# Altium PCB Copy of master.PcbDoc (part 2 of 7)
Units mm, origin at the board's own origin, x right, y up, seen from the top; angles counter-clockwise.
Board outline 160 x 120 mm, 6 copper layers (Top Signal, Top GND, Inner PWR, Inner Signal, Bottom GND, Bottom Signal), stack 1.571 mm thick; 553 components, 452 nets, 2073 pads, 879 vias.
Unrouted connection lines stored in the file: 269.
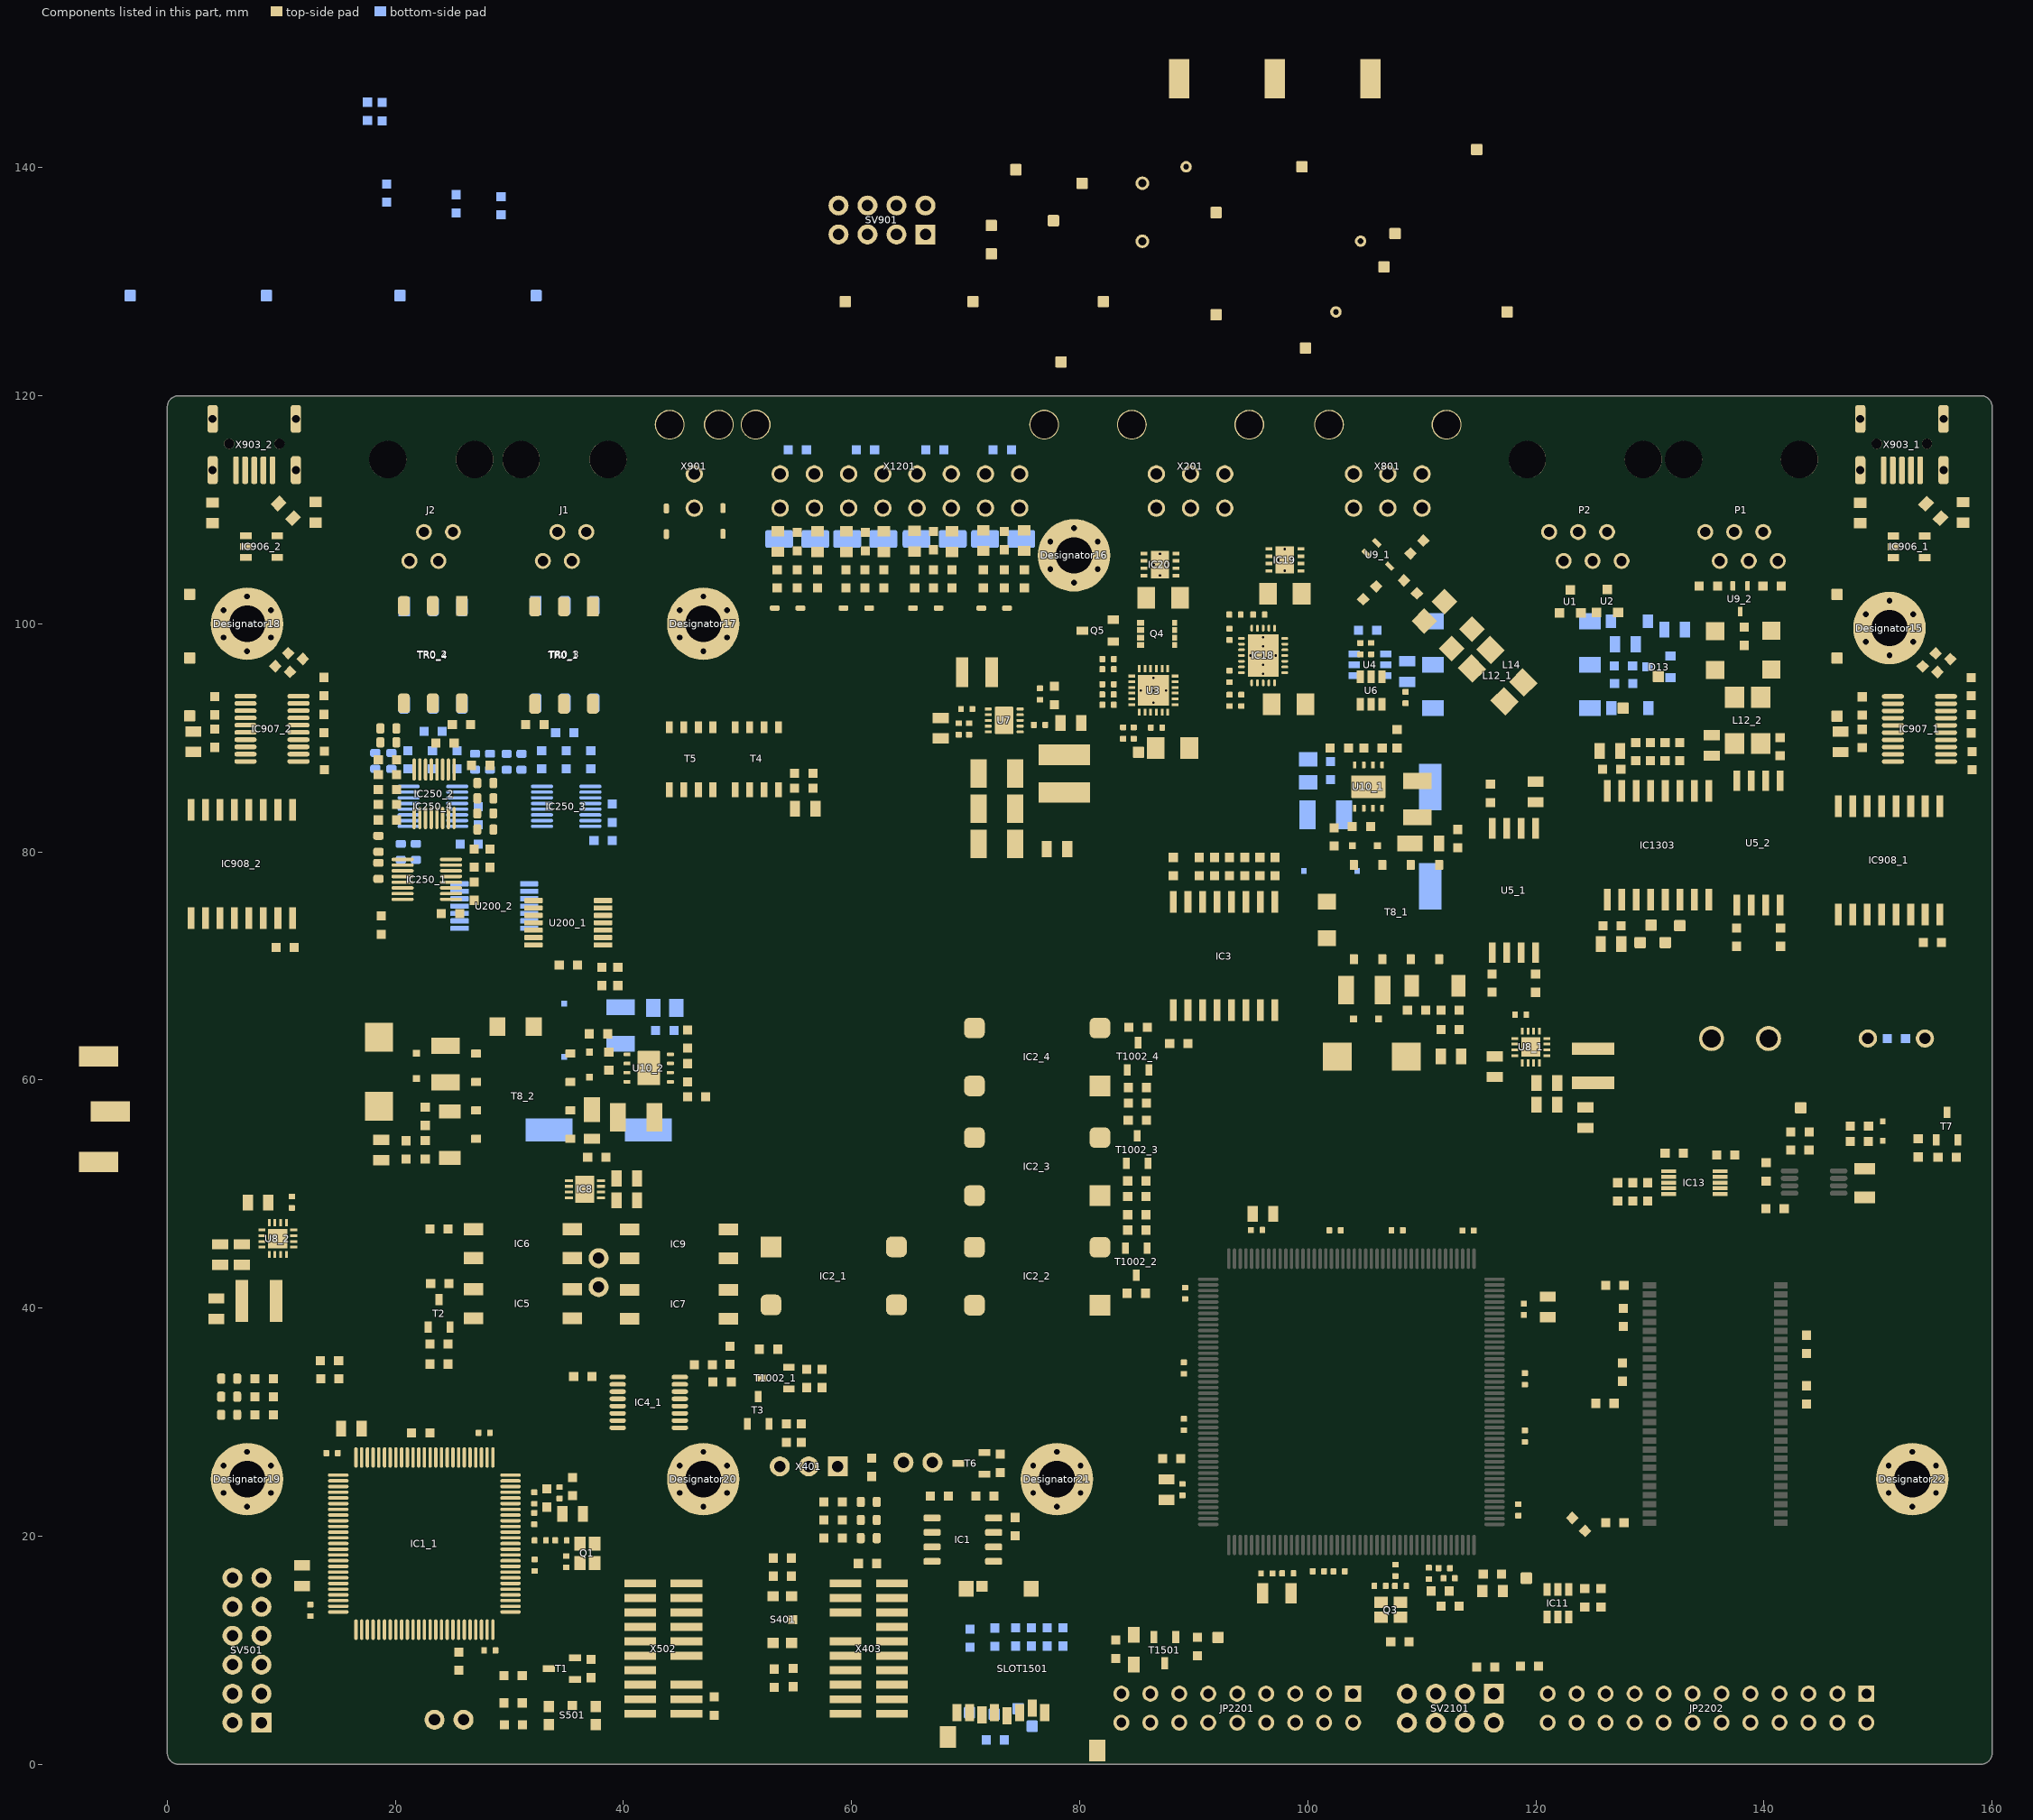
[diagram p6: the components of this part, seen from the top]

## Components (designator, comment, footprint, x,y, rotation, side; value= is the part's Value field where it differs from the comment) (continued)
JP200_2 "0R" RESC1608X05N 29.757,87.902 r90 bottom (schematic designator JP200)
JP201_1 "0R" RESC1608X05N 27.883,86.042 r0 top (schematic designator JP201)
JP201_2 "0R" RESC1608X05N 18.237,87.976 r90 bottom (schematic designator JP201)
JP202_1 "0R" RESC1608X05N 19.38,89.606 r180 top (schematic designator JP202)
JP202_2 "0R" RESC1608X05N 26.983,87.909 r90 bottom (schematic designator JP202)
JP203_1 "0R" RESC1608X05N 18.512,80.704 r90 top (schematic designator JP203)
JP203_2 "0R" RESC1608X05N 20.472,80.004 r270 bottom (schematic designator JP203)
JP204_1 "0R" RESC1608X05N 27.883,81.962 r180 top (schematic designator JP204)
JP204_2 "0R" RESC1608X05N 31.052,87.902 r270 bottom (schematic designator JP204)
JP205_1 "0R" RESC1608X05N 27.883,84.692 r180 top (schematic designator JP205)
JP205_2 "0R" RESC1608X05N 19.651,87.976 r270 bottom (schematic designator JP205)
JP206_1 "0R" RESC1608X05N 19.38,90.824 r0 top (schematic designator JP206)
JP206_2 "0R" RESC1608X05N 28.296,87.909 r270 bottom (schematic designator JP206)
JP207_1 "0R" RESC1608X05N 18.512,78.341 r90 top (schematic designator JP207)
JP207_2 "0R" RESC1608X05N 21.798,80.004 r90 bottom (schematic designator JP207)
JP2201 "SLW-112-01-T-D" SMTC-SLW-112-01-X-D#1 103.97,6.19 r180 bottom
JP2202 "SLW-112-01-T-D" SMTC-SLW-112-01-X-D#2 148.972,6.19 r180 bottom
L1_1 "742792021" 0805_HV 100.034,87.114 r270 bottom value="22 ohm" (schematic designator L1)
L1_2 "742792021" 0805_HV 43.614,66.316 r180 bottom value="22 ohm" (schematic designator L1)
L2_1 "744042100" WE-TPC-M1 102.002,78.317 r0 bottom value=10uH (schematic designator L2)
L2_2 "744042100" WE-TPC-M1 34.81,64.347 r270 bottom value=10uH (schematic designator L2)
L3 "BLM21AG471SN1J" MURA-BLM21-H1-CHIP-2_V#1 53.518,107.213 r270 top
L4 "BLM21AG471SN1J" MURA-BLM21-H1-CHIP-2_V#1 57.007,107.202 r270 top
L5 "BLM21AG471SN1J" MURA-BLM21-H1-CHIP-2_V#1 59.554,107.202 r270 top
L6 "BLM21AG471SN1J" MURA-BLM21-H1-CHIP-2_V#1 62.838,107.202 r270 top
L7 "BLM21AG471SN1J" MURA-BLM21-H1-CHIP-2_V#1 65.532,107.239 r270 top
L8 "BLM21AG471SN1J" MURA-BLM21-H1-CHIP-2_V#1 68.809,107.202 r270 top
L9 "BLM21AG471SN1J" MURA-BLM21-H1-CHIP-2_V#1 71.552,107.29 r270 top
L10 "BLM21AG471SN1J" MURA-BLM21-H1-CHIP-2_V#1 75.145,107.291 r270 top
L11 "SDR0403-4R7ML" SDR0403 78.657,86.853 r270 top value=Value
L12_1 "B82789C0104H001" SIMDAD_1812 116.637,95.462 r225 top value=100uH (schematic designator L12)
L12_2 "B82789C0104H001" SIMDAD_1812 138.567,91.528 r180 top value=100uH (schematic designator L12)
L14 "Wurth 750316031 Xformer" 750316031 117.854,96.412 r0 bottom value=Value
L15 "BLM21AG471SN1J" MURA-BLM21-H1-CHIP-2_V#1 116.205,15.189 r180 top
L901_1 "BLM21AG471SN1J" MURA-BLM21-H1-CHIP-2_V#1 154.838,109.889 r315 top (schematic designator L901)
L901_2 "BLM21AG471SN1J" MURA-BLM21-H1-CHIP-2_V#1 10.392,109.906 r315 top (schematic designator L901)
L902_1 "BLM21AG471SN1J" MURA-BLM21-H1-CHIP-2_V#1 157.451,109.762 r90 top (schematic designator L902)
L902_2 "BLM21AG471SN1J" MURA-BLM21-H1-CHIP-2_V#1 13.005,109.779 r90 top (schematic designator L902)
L903_1 "BLM21AG471SN1J" MURA-BLM21-H1-CHIP-2_V#1 148.421,109.712 r90 top (schematic designator L903)
L903_2 "BLM21AG471SN1J" MURA-BLM21-H1-CHIP-2_V#1 3.975,109.728 r90 top (schematic designator L903)
L1501 "BLM21AG471SN1J" MURA-BLM21-H1-CHIP-2_V#2 84.74,10.045 r270 top
LED1 "green" LEDC1608X07N 61.5,19.829 r0 top locked
LED2 "red" LEDC1608X07N 61.5,21.417 r0 top locked
LED3 "orange" LEDC1608X07N 61.5,23.004 r0 top locked
LED4 "green" LEDC1608X07N 5.426,30.643 r180 top locked
LED5 "red" LEDC1608X07N 5.426,32.23 r180 top locked
LED6 "orange" LEDC1608X07N 5.426,33.818 r180 top locked
LS1 "PS1240P02CT3" PS12 151.605,63.637 r180 top locked
LSP1301 "Testpoint_Square" Testpoint_S1 131.341,72.049 r90 top
LSP1302 "Testpoint_Square" Testpoint_S1 132.611,73.528 r90 top
LSP1303 "Testpoint_Square" Testpoint_S1 129.132,72.049 r90 top
LSP1304 "Testpoint_Square" Testpoint_S1 130.097,73.573 r90 top
LSP1501 "Testpoint_Square" Testpoint_S1 92.127,11.128 r90 top
LSP1502 "Testpoint_Square" Testpoint_S1 75.831,3.341 r90 bottom
LSP1503 "Testpoint_Square" Testpoint_S1 74.598,4.88 r90 bottom
LSP1504 "Testpoint_Square" Testpoint_S1 72.507,4.38 r180 bottom
LSP1505 "Testpoint_Square" Testpoint_S1 70.331,4.531 r90 bottom
P1 "CONN MOD JACK 6P6C R/A UNSHLD" 95501-2661#1 138.024,105.512 r180 top locked
P2 "CONN MOD JACK 6P6C R/A UNSHLD" 95501-2661#2 124.333,105.512 r180 bottom locked
Q1 "CX2520DB32000D0GEJZ1" AVX-CX2520DB32000D0GEJZ1-4_V 36.823,18.494 r180 top
Q2 "32.768kHz" ESPO-FC-135-2_V 97.288,14.994 r180 top
Q3 "CX2520DB32000D0GEJZ1" AVX-CX2520DB32000D0GEJZ1-4_V 107.274,13.543 r90 top
Q4 "CSD17308Q3" TRANS_NexFET_Q3 86.837,99.114 r0 top value=30V
Q5 "BSS138" SOT-23 81.587,99.404 r180 top value=50V
R1 "10k" 0603R 22.223,29.065 r0 top
R2 "0.01R" 0805R 4.302,39.943 r90 top
R3_1 "CRCW0603130KFKEA" 0603R 105.715,89.119 r0 top value=130k (schematic designator R3)
R3_2 "CRCW0603130KFKEA" 0603R 45.612,60.635 r270 top value=130k (schematic designator R3)
R4 "10k" 0603R 25.559,9.035 r90 top locked
R5 "10k" 0603R 30.321,5.384 r180 top locked
R6 "10k" 0603R 23.825,36.838 r0 top
R7 "10R" 0603R 23.825,35.092 r0 top
R8 "10k" 0603R 23.825,46.93 r0 top
R9 "10k" 0603R 37.148,8.4 r90 top locked
R10 "680R" 0603R 14.243,33.818 r0 top
R11 "0R" 0603R 14.217,35.382 r180 top
R12 "430R" 0603R 23.887,42.163 r0 top
R13 "0R" 0805R 112.549,62.058 r180 top
R14 "20k" 0805R 40.292,51.366 r180 top
R15 "10k" 0603R 48.641,33.519 r0 top
R16 "430R" 0603R 49.352,35.865 r90 top
R17 "47R" 0603R 53.471,103.937 r270 top
R18 "10R" 0603R 55.591,29.04 r90 top
R19 "10k" 0603R 54.27,29.04 r90 top
R20 "0R" 0603R 53.229,7.544 r90 top locked
R21 "680R" 0603R 53.927,16.496 r180 top locked
R22 "0R" 0603R 53.927,18.083 r0 top locked
R23 "0R" 0603R 30.343,3.473 r0 top
R24 "600R" 0805R 55.936,83.795 r0 top
R25 "10R" 0603R 55.807,86.894 r180 top
R26 "10R" 0603R 55.807,85.598 r180 top
R27 "10k" 0603R 54.88,7.606 r270 top locked
R28 "47R" 0603R 55.239,103.937 r270 top
R29 "130R" 0603R 58.372,19.829 r0 top locked
R30 "130R" 0603R 58.372,21.417 r0 top locked
R31 "130R" 0603R 58.372,23.004 r0 top locked
R32 "47R" 0603R 57.007,103.937 r90 top
R33 "47R" 0603R 59.514,103.937 r270 top
R34 "130R" 0603R 8.49,30.643 r180 top
R35 "130R" 0603R 8.49,32.23 r180 top locked
R36 "130R" 0603R 8.49,33.818 r0 top locked
R37 "47R" 0603R 61.176,103.937 r270 top
R38 "47R" 0603R 62.838,103.937 r90 top
R39 "47R" 0603R 65.532,103.937 r270 top
R40 "10k" 0603R 67.691,23.532 r0 top
R41 "10k" 0603R 73.037,26.39 r90 top
R42 "47R" 0603R 67.177,103.937 r270 top
R43 "47R" 0603R 68.809,103.937 r270 top
R44 "47R" 0603R 71.552,103.937 r270 top
R45 "10k" 0603R 88.06,26.79 r0 top
R46 "10k" 0603R 74.331,20.836 r90 top
R47 "47R" 0603R 73.373,103.937 r90 top
R48 "47R" 0603R 75.145,103.937 r90 top
R49 "10R" 0603R 130.038,88.784 r270 top
R50 "10k" 0603R 91.813,78.713 r90 top
R51 "10k" 0603R 93.143,78.713 r90 top
R52 "10k" 0603R 94.473,78.713 r90 top
R53 "10k" 0603R 95.803,78.713 r90 top
R54 "10R" 0603R 128.751,88.784 r270 top
R55 "10R" 0603R 132.611,88.784 r270 top
R56 "374k" 0402R 82.487,96.909 r0 top
R57 "49k9" 0402R 86.734,90.901 r0 top
R58 "49k9" 0402R 82.487,96.012 r0 top
R59 "56k" 0402R 84.732,90.418 r90 top
R60 "30k" 0402R 83.809,90.418 r90 top
R61 "1k" 0603R 151.605,63.637 r0 bottom
R62 "10R" 0603R 153.51,54.05 r270 top
R63 "10k" 0603R 156.055,53.211 r180 top
R64 "100k" 0603R 129.786,50.19 r90 top
R65 "100k" 0603R 127.167,50.19 r90 top
R66 "10k" 0603R 123.748,21.034 r135 top
R67_1 "CRCW120660R4FKEA" 1206R 111.418,99.038 r315 top value=60.4 (schematic designator R67)
R67_2 "CRCW120660R4FKEA" 1206R 135.712,97.653 r270 top value=60.4 (schematic designator R67)
R68 "0.01R" 0805R 124.34,56.702 r90 top
R69_1 "CRCW120660R4FKEA" 1206R 113.186,100.736 r135 top value=60.4 (schematic designator R69)
R69_2 "CRCW120660R4FKEA" 1206R 140.646,97.69 r90 top value=60.4 (schematic designator R69)
R70 "100k" 0603R 140.179,51.942 r90 top
R71 "0R" 0805R 78.003,80.239 r180 top
R72 "4k7" 0603R 143.143,53.867 r180 top
R73 "4k7" 0603R 143.146,55.448 r180 top
R74 "0R" 0805R 18.76,53.858 r90 top
R75 "NF" 0603R 148.359,55.958 r180 top
R76 "10M" 0603R 148.356,54.605 r180 top
R77 "10.7k" 0402R 93.131,93.281 r90 top
R78 "100k" 0402R 104.605,97.815 r90 top
R79 "26.1k" 0402R 93.131,95.387 r90 top
R80 "0R" 0402R 93.131,99.072 r90 top
R81 "374k" 0402R 95.708,100.8 r0 top
R82 "49k9" 0402R 93.614,100.8 r0 top
R83 "26.1k" 0402R 82.483,93.796 r0 top
R84 "0R" 0402R 82.487,92.889 r0 top
R85 "100k" 0402R 105.555,97.819 r90 top
R86 "0.47" 0402R 76.479,91.135 r0 top
R87 "100k" 0402R 108.568,93.531 r90 top
R88 "0R" 0805R 132.16,99.478 r180 bottom
R89 "100k" 0603R 105.246,99.422 r0 bottom
R91 "100k" 0603R 90.483,78.713 r90 top
R92 "10R" 0603R 131.324,88.784 r270 top
R93_1 "CRCW0603100RFKEA" 0603R 109.537,66.12 r0 top value=100 (schematic designator R93)
R93_2 "CRCW0603100RFKEA" 0603R 22.612,56.812 r270 top value=100 (schematic designator R93)
R94_1 "CRCW0603100RFKEA" 0603R 113.137,81.165 r270 top value=100 (schematic designator R94)
R94_2 "CRCW0603100RFKEA" 0603R 37.658,53.213 r180 top value=100 (schematic designator R94)
R95_1 "CRCW0603158KFKEA" 0603R 104.699,82.222 r180 top value=158k (schematic designator R95)
R95_2 "CRCW0603158KFKEA" 0603R 38.714,61.651 r90 top value=158k (schematic designator R95)
R96_1 "CRCW060312K1FKEA" 0603R 102.764,89.119 r0 top value=12.1k (schematic designator R96)
R96_2 "CRCW060312K1FKEA" 0603R 45.612,63.585 r270 top value=12.1k (schematic designator R96)
R97 "100k" 0603R 88.685,63.208 r0 top
R98 "40R" 0805R 40.292,49.445 r180 top
R99 "100k" 0402R 70.088,92.526 r180 top
R200_1 "2k" 0603R 19.304,82.793 r180 top (schematic designator R200)
R200_2 "2k" 0603R 25.324,136.821 r90 bottom (schematic designator R200)
R201_1 "2k" 0603R 19.304,84.15 r180 top (schematic designator R201)
R201_2 "2k" 0603R 29.261,136.652 r90 bottom (schematic designator R201)
R202_1 "20k" 0603R 38.111,69.08 r270 top (schematic designator R202)
R202_2 "20k" 0603R 18.847,144.907 r90 bottom (schematic designator R202)
R203_1 "0R" 0603R 39.511,69.08 r90 top (schematic designator R203)
R203_2 "0R" 0603R 17.551,144.932 r270 bottom (schematic designator R203)
R250_1 "806R" 0603R 26.899,79.451 r90 top (schematic designator R250)
R250_2 "806R" 0603R 19.304,88.077 r0 top (schematic designator R250)
R250_3 "806R" 0603R 38.211,80.995 r180 bottom (schematic designator R250)
R250_4 "806R" 0603R 26.472,80.681 r180 bottom (schematic designator R250)
R251_1 "1k2" 0603R 28.282,79.447 r270 top (schematic designator R251)
R251_2 "1k2" 0603R 19.304,86.768 r180 top (schematic designator R251)
R251_3 "1k2" 0603R 39.024,83.393 r270 bottom (schematic designator R251)
R251_4 "1k2" 0603R 27.26,83.176 r270 bottom (schematic designator R251)
R400_1 "120R" 0603R 26.906,76.556 r90 top (schematic designator R400)
R400_2 "120R" 0603R 24.344,89.532 r180 top (schematic designator R400)
R400_3 "120R" 0603R 34.851,90.456 r0 bottom (schematic designator R400)
R400_4 "120R" 0603R 23.314,90.562 r0 bottom (schematic designator R400)
R913_1 "27R" 0603R 155.771,96.339 r45 top (schematic designator R913)
R913_2 "27R" 0603R 11.325,96.355 r45 top (schematic designator R913)
R914_1 "27R" 0603R 154.479,96.834 r45 top (schematic designator R914)
R914_2 "27R" 0603R 10.033,96.85 r45 top (schematic designator R914)
R915_1 "0R" 0603R 158.174,94.479 r90 top (schematic designator R915)
R915_2 "0R" 0603R 13.728,94.496 r90 top (schematic designator R915)
R916_1 "0R" 0603R 158.174,91.235 r270 top (schematic designator R916)
R916_2 "0R" 0603R 13.728,91.251 r270 top (schematic designator R916)
R1001_1 "10R" 0603R 57.415,33.831 r90 top (schematic designator R1001)
R1001_2 "10R" 0603R 85.004,48.184 r180 top (schematic designator R1001)
R1001_3 "10R" 0603R 85.005,49.779 r0 top (schematic designator R1001)
R1001_4 "10R" 0603R 85.064,57.963 r0 top (schematic designator R1001)
R1002_1 "430R" 0603R 52.716,36.393 r180 top (schematic designator R1002)
R1002_2 "430R" 0603R 84.96,41.3 r180 top (schematic designator R1002)
R1002_3 "430R" 0603R 85.049,56.484 r180 top (schematic designator R1002)
R1002_4 "430R" 0603R 85.115,64.618 r180 top (schematic designator R1002)
R1003_1 "10k" 0603R 56.069,33.831 r270 top (schematic designator R1003)
R1003_2 "10k" 0603R 85.004,46.838 r0 top (schematic designator R1003)
R1003_3 "10k" 0603R 85.005,51.15 r180 top (schematic designator R1003)
R1003_4 "10k" 0603R 85.064,59.334 r180 top (schematic designator R1003)
R1501 "47k" 0603R 90.328,10.328 r270 top
R1502 "10k" 0603R 77.139,11.164 r90 bottom
R1503 "10k" 0603R 78.522,11.164 r90 bottom
R1504 "10k" 0603R 74.372,11.164 r90 bottom
R1505 "10k" 0603R 72.565,11.146 r270 bottom
R1506 "10k" 0603R 75.755,11.164 r90 bottom
R1507 "10k" 0603R 70.389,11.063 r90 bottom
Rext_1 "0R" 0402R 32.701,19.628 r0 top
Rext_2 "0R" 0402R 107.681,17 r270 top
S401 "KMR221GLFS" KMR2_Series 53.927,12.686 r270 top locked
S501 "KMR221GLFS" KMR2_Series 35.509,4.273 r0 top
SLOT1501 "MOLEX_47352-1001" MOLEX_47352_1001 69.391,14.691 r0 top locked
SV501 "TSW-106-07-G-D" PINHEADER_2.54_2X6 6.985,10 r90 top locked
SV901 "SLW-104-01-G-D" SLW_104_01_G_D 62.662,135.407 r180 bottom
SV2101 "TSW-104-07-G-D" PINHEADER_2.54_2X4 112.5,4.92 r180 top
T1 "BSS84P" INF-PG-SOT23_N 34.608,8.4 r180 top locked
T2 "IRLML0100TRPBF" SOT95P237X110-3N 23.825,39.537 r90 top
T3 "IRLML0100TRPBF" SOT95P237X110-3N 51.807,31.043 r90 top
T4 "SQJA60EP-T1_GE3" VISH-POWERPAKSO-8_V 51.693,88.116 r90 top
T5 "SQJA60EP-T1_GE3" VISH-POWERPAKSO-8_V 45.927,88.116 r90 top
T6 "BSS84P" INF-PG-SOT23_N 70.497,26.39 r180 top
T7 "IRLML0100TRPBF" SOT95P237X110-3N 156.055,55.955 r90 top
T8_1 "YA8779-BL" Coilcraft_YA8779-CL 107.772,74.717 r270 top value=30uH (schematic designator T8)
T8_2 "YA8779-BL" Coilcraft_YA8779-CL 31.209,58.577 r180 top value=30uH (schematic designator T8)
T1002_1 "IRLML0100TRPBF" SOT95P237X110-3N 53.3,33.853 r180 top (schematic designator T1002)
T1002_2 "IRLML0100TRPBF" SOT95P237X110-3N 84.96,44.069 r270 top (schematic designator T1002)
T1002_3 "IRLML0100TRPBF" SOT95P237X110-3N 85.049,53.894 r90 top (schematic designator T1002)
T1002_4 "IRLML0100TRPBF" SOT95P237X110-3N 85.108,62.078 r90 top (schematic designator T1002)
T1501 "BSS84P" INF-PG-SOT23_N 87.468,10.012 r270 top
TP2_1 "SW" Testpoint_Keystone_Miniature 105.472,147.786 r90 top (schematic designator TP2)
TP2_2 "SW" Testpoint_Keystone_Miniature -6.02,52.827 r0 top (schematic designator TP2)
TP3_1 "SS/BIAS" Testpoint_Keystone_Miniature 97.09,147.786 r90 top (schematic designator TP3)
TP3_2 "SS/BIAS" Testpoint_Keystone_Miniature -5.004,57.226 r0 top (schematic designator TP3)
TP4_1 "GND" Testpoint_Keystone_Miniature 88.708,147.786 r90 top (schematic designator TP4)
TP4_2 "GND" Testpoint_Keystone_Miniature -6.02,62.052 r0 top (schematic designator TP4)
TP200_1 "Testpoint_Square" Testpoint_S1 82.071,128.238 r90 top (schematic designator TP200)
TP200_2 "Testpoint_Square" Testpoint_S1 32.334,128.778 r90 bottom (schematic designator TP200)
TP201_1 "Testpoint_Square" Testpoint_S1 59.439,128.238 r90 top (schematic designator TP201)
TP201_2 "Testpoint_Square" Testpoint_S1 8.687,128.778 r90 bottom (schematic designator TP201)
TP202_1 "Testpoint_Square" Testpoint_S1 78.362,122.961 r90 top (schematic designator TP202)
TP202_2 "Testpoint_Square" Testpoint_S1 -3.251,128.778 r90 bottom (schematic designator TP202)
TP203_1 "Testpoint_Square" Testpoint_S1 70.641,128.238 r90 top (schematic designator TP203)
TP203_2 "Testpoint_Square" Testpoint_S1 20.396,128.778 r90 bottom (schematic designator TP203)
TPc33 "Testpoint_Square" Testpoint_S1 91.955,127.095 r90 top
TPcGN "Testpoint_Round" Testpoint_D1V 104.627,133.548 r270 top
TPe33 "Testpoint_Square" Testpoint_S1 117.471,127.344 r90 top
TPeEX0 "Testpoint_Square" Testpoint_S1 77.695,135.345 r90 top
TPeEX2 "Testpoint_Square" Testpoint_S1 99.488,140.07 r90 top
TPeGN0 "Testpoint_Square" Testpoint_S1 99.793,124.169 r180 top
TPeGND0 "Testpoint_Square" Testpoint_S1 72.248,134.92 r90 top
TPeRV1 "Testpoint_Square" Testpoint_S1 91.955,136.059 r90 top
TPeSUP0 "Testpoint_Square" Testpoint_S1 72.248,132.436 r90 top
TPeSUP1 "Testpoint_Square" Testpoint_S1 85.15,88.739 r0 top
TPeSUPi "Testpoint_Square" Testpoint_S1 114.808,141.58 r90 top
TPi3.3v0 "Testpoint_Square" Testpoint_S1 106.676,131.307 r90 top
TPi3.3v1 "Testpoint_Square" Testpoint_S1 80.206,138.622 r90 top
TPi5_0 "Testpoint_Square" Testpoint_S1 107.65,134.209 r90 top
TPi5_1 "Testpoint_Square" Testpoint_S1 74.393,139.816 r90 top
TPiGN0 "Testpoint_Round" Testpoint_D1V 89.328,140.07 r90 top
TPiGN1 "Testpoint_Round" Testpoint_D1V 102.46,127.344 r90 top
TPIisoGND "Testpoint_Square" Testpoint_S1 127.651,92.602 r90 top
TPisoVcc "Testpoint_Square" Testpoint_S1 130.734,95.365 r90 top
TPu3.3v2_1 "Testpoint_Square" Testpoint_S1 146.4,96.988 r90 top (schematic designator TPu3.3v2)
TPu3.3v2_2 "Testpoint_Square" Testpoint_S1 1.954,97.005 r90 top (schematic designator TPu3.3v2)
TPuGND2_1 "Testpoint_Square" Testpoint_S1 146.4,102.573 r180 top (schematic designator TPuGND2)
TPuGND2_2 "Testpoint_Square" Testpoint_S1 1.954,102.589 r180 top (schematic designator TPuGND2)
TPuVb2_1 "Testpoint_Square" Testpoint_S1 146.4,91.905 r180 top (schematic designator TPuVb2)
TPuVb2_2 "Testpoint_Square" Testpoint_S1 1.954,91.921 r180 top (schematic designator TPuVb2)
TPvBat0 "Testpoint_Square" Testpoint_S1 143.213,57.558 r180 top
TPvRef0 "Testpoint_Square" Testpoint_S1 119.156,16.317 r90 top
TR0_1 "HM2101NL" HM2101NL 34.772,97.25 r270 top locked (schematic designator TR0)
TR0_2 "HM2101NL" HM2101NL 23.279,97.302 r270 top locked (schematic designator TR0)
TR0_3 "HM2101NL" HM2101NL 34.851,97.312 r270 bottom (schematic designator TR0)
TR0_4 "HM2101NL" HM2101NL 23.304,97.25 r270 bottom locked (schematic designator TR0)
U1 "PSM712-LF-T7" PRKT-SOT23-3_V 123,101.96 r90 top
U2 "PSM712-LF-T7" PRKT-SOT23-3_V 126.261,101.996 r90 top
U3 "TPS26630RGET" RGE0024H 86.467,94.166 r270 top value=Value
U4 "SN6505ADBVR" DBV0006A_N 105.447,96.412 r180 bottom value=Value
U5_1 "ISO1042DWVR" DWV0008A 118.064,76.615 r90 top value=Value (schematic designator U5)
U5_2 "ISO1042DWVR" DWV0008A 139.502,80.783 r90 top value=Value (schematic designator U5)
U6 "LM3880MFX-1AB/NOPB" MF06A_N 105.555,94.142 r90 top
U7 "LM536013QDSXRQ1" DSX0010A 73.373,91.526 r180 top value=Value
U8_1 "TPS62142RGTR" RGT0016C 119.557,62.895 r180 top value=Value (schematic designator U8)
U8_2 "TPS62142RGTR" RGT0016C 9.684,46.09 r90 top value=Value (schematic designator U8)
U9_1 "TPD2E007DCKR" DCK0003A_N 106.376,105.845 r315 top (schematic designator U9)
U9_2 "TPD2E007DCKR" DCK0003A_N 137.908,102.193 r270 top (schematic designator U9)
U10_1 "LM5180QNGURQ1" NGU0008C 105.306,85.722 r90 top (schematic designator U10)